# Allegro board LED_FIN.brd (continued)
## Nets (continued)
COL_OUT_B50: D6850.1(CATHODE) D6880.1(CATHODE) D6910.1(CATHODE) D6940.1(CATHODE) D6970.1(CATHODE) D7000.1(CATHODE) D7030.1(CATHODE) D7060.1(CATHODE) D7090.1(CATHODE) D7120.1(CATHODE) D7150.1(CATHODE) D7180.1(CATHODE) D7210.1(CATHODE) D7240.1(CATHODE) D7270.1(CATHODE) D7300.1(CATHODE) D7330.1(CATHODE) D7360.1(CATHODE) D7390.1(CATHODE) D7420.1(CATHODE) D7450.1(CATHODE) D7480.1(CATHODE) D7510.1(CATHODE) D7540.1(CATHODE) D7570.1(CATHODE) D7600.1(CATHODE) D7630.1(CATHODE) D7660.1(CATHODE) D7690.1(CATHODE) D7720.1(CATHODE) D7750.1(CATHODE) D7780.1(CATHODE) D7810.1(CATHODE) D7840.1(CATHODE) D7870.1(CATHODE) D7900.1(CATHODE) D7930.1(CATHODE) D7960.1(CATHODE) R190.1
COL_OUT_B51: D6849.1(CATHODE) D6879.1(CATHODE) D6909.1(CATHODE) D6939.1(CATHODE) D6969.1(CATHODE) D6999.1(CATHODE) D7029.1(CATHODE) D7059.1(CATHODE) D7089.1(CATHODE) D7119.1(CATHODE) D7149.1(CATHODE) D7179.1(CATHODE) D7209.1(CATHODE) D7239.1(CATHODE) D7269.1(CATHODE) D7299.1(CATHODE) D7329.1(CATHODE) D7359.1(CATHODE) D7389.1(CATHODE) D7419.1(CATHODE) D7449.1(CATHODE) D7479.1(CATHODE) D7509.1(CATHODE) D7539.1(CATHODE) D7569.1(CATHODE) D7599.1(CATHODE) D7629.1(CATHODE) D7659.1(CATHODE) D7689.1(CATHODE) D7719.1(CATHODE) D7749.1(CATHODE) D7779.1(CATHODE) D7809.1(CATHODE) D7839.1(CATHODE) D7869.1(CATHODE) D7899.1(CATHODE) D7929.1(CATHODE) D7959.1(CATHODE) R189.1
COL_OUT_B52: D6848.1(CATHODE) D6878.1(CATHODE) D6908.1(CATHODE) D6938.1(CATHODE) D6968.1(CATHODE) D6998.1(CATHODE) D7028.1(CATHODE) D7058.1(CATHODE) D7088.1(CATHODE) D7118.1(CATHODE) D7148.1(CATHODE) D7178.1(CATHODE) D7208.1(CATHODE) D7238.1(CATHODE) D7268.1(CATHODE) D7298.1(CATHODE) D7328.1(CATHODE) D7358.1(CATHODE) D7388.1(CATHODE) D7418.1(CATHODE) D7448.1(CATHODE) D7478.1(CATHODE) D7508.1(CATHODE) D7538.1(CATHODE) D7568.1(CATHODE) D7598.1(CATHODE) D7628.1(CATHODE) D7658.1(CATHODE) D7688.1(CATHODE) D7718.1(CATHODE) D7748.1(CATHODE) D7778.1(CATHODE) D7808.1(CATHODE) D7838.1(CATHODE) D7868.1(CATHODE) D7898.1(CATHODE) D7928.1(CATHODE) D7958.1(CATHODE) R188.1
COL_OUT_B53: D6847.1(CATHODE) D6877.1(CATHODE) D6907.1(CATHODE) D6937.1(CATHODE) D6967.1(CATHODE) D6997.1(CATHODE) D7027.1(CATHODE) D7057.1(CATHODE) D7087.1(CATHODE) D7117.1(CATHODE) D7147.1(CATHODE) D7177.1(CATHODE) D7207.1(CATHODE) D7237.1(CATHODE) D7267.1(CATHODE) D7297.1(CATHODE) D7327.1(CATHODE) D7357.1(CATHODE) D7387.1(CATHODE) D7417.1(CATHODE) D7447.1(CATHODE) D7477.1(CATHODE) D7507.1(CATHODE) D7537.1(CATHODE) D7567.1(CATHODE) D7597.1(CATHODE) D7627.1(CATHODE) D7657.1(CATHODE) D7687.1(CATHODE) D7717.1(CATHODE) D7747.1(CATHODE) D7777.1(CATHODE) D7807.1(CATHODE) D7837.1(CATHODE) D7867.1(CATHODE) D7897.1(CATHODE) D7927.1(CATHODE) D7957.1(CATHODE) R187.1
COL_OUT_B54: D6846.1(CATHODE) D6876.1(CATHODE) D6906.1(CATHODE) D6936.1(CATHODE) D6966.1(CATHODE) D6996.1(CATHODE) D7026.1(CATHODE) D7056.1(CATHODE) D7086.1(CATHODE) D7116.1(CATHODE) D7146.1(CATHODE) D7176.1(CATHODE) D7206.1(CATHODE) D7236.1(CATHODE) D7266.1(CATHODE) D7296.1(CATHODE) D7326.1(CATHODE) D7356.1(CATHODE) D7386.1(CATHODE) D7416.1(CATHODE) D7446.1(CATHODE) D7476.1(CATHODE) D7506.1(CATHODE) D7536.1(CATHODE) D7566.1(CATHODE) D7596.1(CATHODE) D7626.1(CATHODE) D7656.1(CATHODE) D7686.1(CATHODE) D7716.1(CATHODE) D7746.1(CATHODE) D7776.1(CATHODE) D7806.1(CATHODE) D7836.1(CATHODE) D7866.1(CATHODE) D7896.1(CATHODE) D7926.1(CATHODE) D7956.1(CATHODE) R186.1
COL_OUT_B55: D6845.1(CATHODE) D6875.1(CATHODE) D6905.1(CATHODE) D6935.1(CATHODE) D6965.1(CATHODE) D6995.1(CATHODE) D7025.1(CATHODE) D7055.1(CATHODE) D7085.1(CATHODE) D7115.1(CATHODE) D7145.1(CATHODE) D7175.1(CATHODE) D7205.1(CATHODE) D7235.1(CATHODE) D7265.1(CATHODE) D7295.1(CATHODE) D7325.1(CATHODE) D7355.1(CATHODE) D7385.1(CATHODE) D7415.1(CATHODE) D7445.1(CATHODE) D7475.1(CATHODE) D7505.1(CATHODE) D7535.1(CATHODE) D7565.1(CATHODE) D7595.1(CATHODE) D7625.1(CATHODE) D7655.1(CATHODE) D7685.1(CATHODE) D7715.1(CATHODE) D7745.1(CATHODE) D7775.1(CATHODE) D7805.1(CATHODE) D7835.1(CATHODE) D7865.1(CATHODE) D7895.1(CATHODE) D7925.1(CATHODE) D7955.1(CATHODE) R185.1
COL_OUT_B56: D6844.1(CATHODE) D6874.1(CATHODE) D6904.1(CATHODE) D6934.1(CATHODE) D6964.1(CATHODE) D6994.1(CATHODE) D7024.1(CATHODE) D7054.1(CATHODE) D7084.1(CATHODE) D7114.1(CATHODE) D7144.1(CATHODE) D7174.1(CATHODE) D7204.1(CATHODE) D7234.1(CATHODE) D7264.1(CATHODE) D7294.1(CATHODE) D7324.1(CATHODE) D7354.1(CATHODE) D7384.1(CATHODE) D7414.1(CATHODE) D7444.1(CATHODE) D7474.1(CATHODE) D7504.1(CATHODE) D7534.1(CATHODE) D7564.1(CATHODE) D7594.1(CATHODE) D7624.1(CATHODE) D7654.1(CATHODE) D7684.1(CATHODE) D7714.1(CATHODE) D7744.1(CATHODE) D7774.1(CATHODE) D7804.1(CATHODE) D7834.1(CATHODE) D7864.1(CATHODE) D7894.1(CATHODE) D7924.1(CATHODE) D7954.1(CATHODE) R184.1
COL_OUT_B57: D6843.1(CATHODE) D6873.1(CATHODE) D6903.1(CATHODE) D6933.1(CATHODE) D6963.1(CATHODE) D6993.1(CATHODE) D7023.1(CATHODE) D7053.1(CATHODE) D7083.1(CATHODE) D7113.1(CATHODE) D7143.1(CATHODE) D7173.1(CATHODE) D7203.1(CATHODE) D7233.1(CATHODE) D7263.1(CATHODE) D7293.1(CATHODE) D7323.1(CATHODE) D7353.1(CATHODE) D7383.1(CATHODE) D7413.1(CATHODE) D7443.1(CATHODE) D7473.1(CATHODE) D7503.1(CATHODE) D7533.1(CATHODE) D7563.1(CATHODE) D7593.1(CATHODE) D7623.1(CATHODE) D7653.1(CATHODE) D7683.1(CATHODE) D7713.1(CATHODE) D7743.1(CATHODE) D7773.1(CATHODE) D7803.1(CATHODE) D7833.1(CATHODE) D7863.1(CATHODE) D7893.1(CATHODE) D7923.1(CATHODE) D7953.1(CATHODE) R183.1
COL_OUT_B58: D6842.1(CATHODE) D6872.1(CATHODE) D6902.1(CATHODE) D6932.1(CATHODE) D6962.1(CATHODE) D6992.1(CATHODE) D7022.1(CATHODE) D7052.1(CATHODE) D7082.1(CATHODE) D7112.1(CATHODE) D7142.1(CATHODE) D7172.1(CATHODE) D7202.1(CATHODE) D7232.1(CATHODE) D7262.1(CATHODE) D7292.1(CATHODE) D7322.1(CATHODE) D7352.1(CATHODE) D7382.1(CATHODE) D7412.1(CATHODE) D7442.1(CATHODE) D7472.1(CATHODE) D7502.1(CATHODE) D7532.1(CATHODE) D7562.1(CATHODE) D7592.1(CATHODE) D7622.1(CATHODE) D7652.1(CATHODE) D7682.1(CATHODE) D7712.1(CATHODE) D7742.1(CATHODE) D7772.1(CATHODE) D7802.1(CATHODE) D7832.1(CATHODE) D7862.1(CATHODE) D7892.1(CATHODE) D7922.1(CATHODE) D7952.1(CATHODE) R182.1
COL_OUT_B59: D6841.1(CATHODE) D6871.1(CATHODE) D6901.1(CATHODE) D6931.1(CATHODE) D6961.1(CATHODE) D6991.1(CATHODE) D7021.1(CATHODE) D7051.1(CATHODE) D7081.1(CATHODE) D7111.1(CATHODE) D7141.1(CATHODE) D7171.1(CATHODE) D7201.1(CATHODE) D7231.1(CATHODE) D7261.1(CATHODE) D7291.1(CATHODE) D7321.1(CATHODE) D7351.1(CATHODE) D7381.1(CATHODE) D7411.1(CATHODE) D7441.1(CATHODE) D7471.1(CATHODE) D7501.1(CATHODE) D7531.1(CATHODE) D7561.1(CATHODE) D7591.1(CATHODE) D7621.1(CATHODE) D7651.1(CATHODE) D7681.1(CATHODE) D7711.1(CATHODE) D7741.1(CATHODE) D7771.1(CATHODE) D7801.1(CATHODE) D7831.1(CATHODE) D7861.1(CATHODE) D7891.1(CATHODE) D7921.1(CATHODE) D7951.1(CATHODE) R181.1
COL_OUT_B60: D5730.1(CATHODE) D5760.1(CATHODE) D5790.1(CATHODE) D5820.1(CATHODE) D5850.1(CATHODE) D5880.1(CATHODE) D5910.1(CATHODE) D5940.1(CATHODE) D5970.1(CATHODE) D6000.1(CATHODE) D6030.1(CATHODE) D6060.1(CATHODE) D6090.1(CATHODE) D6120.1(CATHODE) D6150.1(CATHODE) D6180.1(CATHODE) D6210.1(CATHODE) D6240.1(CATHODE) D6270.1(CATHODE) D6300.1(CATHODE) D6330.1(CATHODE) D6360.1(CATHODE) D6390.1(CATHODE) D6420.1(CATHODE) D6450.1(CATHODE) D6480.1(CATHODE) D6510.1(CATHODE) D6540.1(CATHODE) D6570.1(CATHODE) D6600.1(CATHODE) D6630.1(CATHODE) D6660.1(CATHODE) D6690.1(CATHODE) D6720.1(CATHODE) D6750.1(CATHODE) D6780.1(CATHODE) D6810.1(CATHODE) D6840.1(CATHODE) R180.1
COL_OUT_B61: D5729.1(CATHODE) D5759.1(CATHODE) D5789.1(CATHODE) D5819.1(CATHODE) D5849.1(CATHODE) D5879.1(CATHODE) D5909.1(CATHODE) D5939.1(CATHODE) D5969.1(CATHODE) D5999.1(CATHODE) D6029.1(CATHODE) D6059.1(CATHODE) D6089.1(CATHODE) D6119.1(CATHODE) D6149.1(CATHODE) D6179.1(CATHODE) D6209.1(CATHODE) D6239.1(CATHODE) D6269.1(CATHODE) D6299.1(CATHODE) D6329.1(CATHODE) D6359.1(CATHODE) D6389.1(CATHODE) D6419.1(CATHODE) D6449.1(CATHODE) D6479.1(CATHODE) D6509.1(CATHODE) D6539.1(CATHODE) D6569.1(CATHODE) D6599.1(CATHODE) D6629.1(CATHODE) D6659.1(CATHODE) D6689.1(CATHODE) D6719.1(CATHODE) D6749.1(CATHODE) D6779.1(CATHODE) D6809.1(CATHODE) D6839.1(CATHODE) R179.1
COL_OUT_B62: D5728.1(CATHODE) D5758.1(CATHODE) D5788.1(CATHODE) D5818.1(CATHODE) D5848.1(CATHODE) D5878.1(CATHODE) D5908.1(CATHODE) D5938.1(CATHODE) D5968.1(CATHODE) D5998.1(CATHODE) D6028.1(CATHODE) D6058.1(CATHODE) D6088.1(CATHODE) D6118.1(CATHODE) D6148.1(CATHODE) D6178.1(CATHODE) D6208.1(CATHODE) D6238.1(CATHODE) D6268.1(CATHODE) D6298.1(CATHODE) D6328.1(CATHODE) D6358.1(CATHODE) D6388.1(CATHODE) D6418.1(CATHODE) D6448.1(CATHODE) D6478.1(CATHODE) D6508.1(CATHODE) D6538.1(CATHODE) D6568.1(CATHODE) D6598.1(CATHODE) D6628.1(CATHODE) D6658.1(CATHODE) D6688.1(CATHODE) D6718.1(CATHODE) D6748.1(CATHODE) D6778.1(CATHODE) D6808.1(CATHODE) D6838.1(CATHODE) R178.1
COL_OUT_B63: D5727.1(CATHODE) D5757.1(CATHODE) D5787.1(CATHODE) D5817.1(CATHODE) D5847.1(CATHODE) D5877.1(CATHODE) D5907.1(CATHODE) D5937.1(CATHODE) D5967.1(CATHODE) D5997.1(CATHODE) D6027.1(CATHODE) D6057.1(CATHODE) D6087.1(CATHODE) D6117.1(CATHODE) D6147.1(CATHODE) D6177.1(CATHODE) D6207.1(CATHODE) D6237.1(CATHODE) D6267.1(CATHODE) D6297.1(CATHODE) D6327.1(CATHODE) D6357.1(CATHODE) D6387.1(CATHODE) D6417.1(CATHODE) D6447.1(CATHODE) D6477.1(CATHODE) D6507.1(CATHODE) D6537.1(CATHODE) D6567.1(CATHODE) D6597.1(CATHODE) D6627.1(CATHODE) D6657.1(CATHODE) D6687.1(CATHODE) D6717.1(CATHODE) D6747.1(CATHODE) D6777.1(CATHODE) D6807.1(CATHODE) D6837.1(CATHODE) R177.1
COL_OUT_B64: D5726.1(CATHODE) D5756.1(CATHODE) D5786.1(CATHODE) D5816.1(CATHODE) D5846.1(CATHODE) D5876.1(CATHODE) D5906.1(CATHODE) D5936.1(CATHODE) D5966.1(CATHODE) D5996.1(CATHODE) D6026.1(CATHODE) D6056.1(CATHODE) D6086.1(CATHODE) D6116.1(CATHODE) D6146.1(CATHODE) D6176.1(CATHODE) D6206.1(CATHODE) D6236.1(CATHODE) D6266.1(CATHODE) D6296.1(CATHODE) D6326.1(CATHODE) D6356.1(CATHODE) D6386.1(CATHODE) D6416.1(CATHODE) D6446.1(CATHODE) D6476.1(CATHODE) D6506.1(CATHODE) D6536.1(CATHODE) D6566.1(CATHODE) D6596.1(CATHODE) D6626.1(CATHODE) D6656.1(CATHODE) D6686.1(CATHODE) D6716.1(CATHODE) D6746.1(CATHODE) D6776.1(CATHODE) D6806.1(CATHODE) D6836.1(CATHODE) R176.1
COL_OUT_B65: D5725.1(CATHODE) D5755.1(CATHODE) D5785.1(CATHODE) D5815.1(CATHODE) D5845.1(CATHODE) D5875.1(CATHODE) D5905.1(CATHODE) D5935.1(CATHODE) D5965.1(CATHODE) D5995.1(CATHODE) D6025.1(CATHODE) D6055.1(CATHODE) D6085.1(CATHODE) D6115.1(CATHODE) D6145.1(CATHODE) D6175.1(CATHODE) D6205.1(CATHODE) D6235.1(CATHODE) D6265.1(CATHODE) D6295.1(CATHODE) D6325.1(CATHODE) D6355.1(CATHODE) D6385.1(CATHODE) D6415.1(CATHODE) D6445.1(CATHODE) D6475.1(CATHODE) D6505.1(CATHODE) D6535.1(CATHODE) D6565.1(CATHODE) D6595.1(CATHODE) D6625.1(CATHODE) D6655.1(CATHODE) D6685.1(CATHODE) D6715.1(CATHODE) D6745.1(CATHODE) D6775.1(CATHODE) D6805.1(CATHODE) D6835.1(CATHODE) R175.1
COL_OUT_B66: D5724.1(CATHODE) D5754.1(CATHODE) D5784.1(CATHODE) D5814.1(CATHODE) D5844.1(CATHODE) D5874.1(CATHODE) D5904.1(CATHODE) D5934.1(CATHODE) D5964.1(CATHODE) D5994.1(CATHODE) D6024.1(CATHODE) D6054.1(CATHODE) D6084.1(CATHODE) D6114.1(CATHODE) D6144.1(CATHODE) D6174.1(CATHODE) D6204.1(CATHODE) D6234.1(CATHODE) D6264.1(CATHODE) D6294.1(CATHODE) D6324.1(CATHODE) D6354.1(CATHODE) D6384.1(CATHODE) D6414.1(CATHODE) D6444.1(CATHODE) D6474.1(CATHODE) D6504.1(CATHODE) D6534.1(CATHODE) D6564.1(CATHODE) D6594.1(CATHODE) D6624.1(CATHODE) D6654.1(CATHODE) D6684.1(CATHODE) D6714.1(CATHODE) D6744.1(CATHODE) D6774.1(CATHODE) D6804.1(CATHODE) D6834.1(CATHODE) R174.1
COL_OUT_B67: D5723.1(CATHODE) D5753.1(CATHODE) D5783.1(CATHODE) D5813.1(CATHODE) D5843.1(CATHODE) D5873.1(CATHODE) D5903.1(CATHODE) D5933.1(CATHODE) D5963.1(CATHODE) D5993.1(CATHODE) D6023.1(CATHODE) D6053.1(CATHODE) D6083.1(CATHODE) D6113.1(CATHODE) D6143.1(CATHODE) D6173.1(CATHODE) D6203.1(CATHODE) D6233.1(CATHODE) D6263.1(CATHODE) D6293.1(CATHODE) D6323.1(CATHODE) D6353.1(CATHODE) D6383.1(CATHODE) D6413.1(CATHODE) D6443.1(CATHODE) D6473.1(CATHODE) D6503.1(CATHODE) D6533.1(CATHODE) D6563.1(CATHODE) D6593.1(CATHODE) D6623.1(CATHODE) D6653.1(CATHODE) D6683.1(CATHODE) D6713.1(CATHODE) D6743.1(CATHODE) D6773.1(CATHODE) D6803.1(CATHODE) D6833.1(CATHODE) R173.1
COL_OUT_B68: D5722.1(CATHODE) D5752.1(CATHODE) D5782.1(CATHODE) D5812.1(CATHODE) D5842.1(CATHODE) D5872.1(CATHODE) D5902.1(CATHODE) D5932.1(CATHODE) D5962.1(CATHODE) D5992.1(CATHODE) D6022.1(CATHODE) D6052.1(CATHODE) D6082.1(CATHODE) D6112.1(CATHODE) D6142.1(CATHODE) D6172.1(CATHODE) D6202.1(CATHODE) D6232.1(CATHODE) D6262.1(CATHODE) D6292.1(CATHODE) D6322.1(CATHODE) D6352.1(CATHODE) D6382.1(CATHODE) D6412.1(CATHODE) D6442.1(CATHODE) D6472.1(CATHODE) D6502.1(CATHODE) D6532.1(CATHODE) D6562.1(CATHODE) D6592.1(CATHODE) D6622.1(CATHODE) D6652.1(CATHODE) D6682.1(CATHODE) D6712.1(CATHODE) D6742.1(CATHODE) D6772.1(CATHODE) D6802.1(CATHODE) D6832.1(CATHODE) R172.1
COL_OUT_B69: D5721.1(CATHODE) D5751.1(CATHODE) D5781.1(CATHODE) D5811.1(CATHODE) D5841.1(CATHODE) D5871.1(CATHODE) D5901.1(CATHODE) D5931.1(CATHODE) D5961.1(CATHODE) D5991.1(CATHODE) D6021.1(CATHODE) D6051.1(CATHODE) D6081.1(CATHODE) D6111.1(CATHODE) D6141.1(CATHODE) D6171.1(CATHODE) D6201.1(CATHODE) D6231.1(CATHODE) D6261.1(CATHODE) D6291.1(CATHODE) D6321.1(CATHODE) D6351.1(CATHODE) D6381.1(CATHODE) D6411.1(CATHODE) D6441.1(CATHODE) D6471.1(CATHODE) D6501.1(CATHODE) D6531.1(CATHODE) D6561.1(CATHODE) D6591.1(CATHODE) D6621.1(CATHODE) D6651.1(CATHODE) D6681.1(CATHODE) D6711.1(CATHODE) D6741.1(CATHODE) D6771.1(CATHODE) D6801.1(CATHODE) D6831.1(CATHODE) R171.1
COL_OUT_B70: D5720.1(CATHODE) D5750.1(CATHODE) D5780.1(CATHODE) D5810.1(CATHODE) D5840.1(CATHODE) D5870.1(CATHODE) D5900.1(CATHODE) D5930.1(CATHODE) D5960.1(CATHODE) D5990.1(CATHODE) D6020.1(CATHODE) D6050.1(CATHODE) D6080.1(CATHODE) D6110.1(CATHODE) D6140.1(CATHODE) D6170.1(CATHODE) D6200.1(CATHODE) D6230.1(CATHODE) D6260.1(CATHODE) D6290.1(CATHODE) D6320.1(CATHODE) D6350.1(CATHODE) D6380.1(CATHODE) D6410.1(CATHODE) D6440.1(CATHODE) D6470.1(CATHODE) D6500.1(CATHODE) D6530.1(CATHODE) D6560.1(CATHODE) D6590.1(CATHODE) D6620.1(CATHODE) D6650.1(CATHODE) D6680.1(CATHODE) D6710.1(CATHODE) D6740.1(CATHODE) D6770.1(CATHODE) D6800.1(CATHODE) D6830.1(CATHODE) R170.1
COL_OUT_B71: D5719.1(CATHODE) D5749.1(CATHODE) D5779.1(CATHODE) D5809.1(CATHODE) D5839.1(CATHODE) D5869.1(CATHODE) D5899.1(CATHODE) D5929.1(CATHODE) D5959.1(CATHODE) D5989.1(CATHODE) D6019.1(CATHODE) D6049.1(CATHODE) D6079.1(CATHODE) D6109.1(CATHODE) D6139.1(CATHODE) D6169.1(CATHODE) D6199.1(CATHODE) D6229.1(CATHODE) D6259.1(CATHODE) D6289.1(CATHODE) D6319.1(CATHODE) D6349.1(CATHODE) D6379.1(CATHODE) D6409.1(CATHODE) D6439.1(CATHODE) D6469.1(CATHODE) D6499.1(CATHODE) D6529.1(CATHODE) D6559.1(CATHODE) D6589.1(CATHODE) D6619.1(CATHODE) D6649.1(CATHODE) D6679.1(CATHODE) D6709.1(CATHODE) D6739.1(CATHODE) D6769.1(CATHODE) D6799.1(CATHODE) D6829.1(CATHODE) R169.1
COL_OUT_B72: D5718.1(CATHODE) D5748.1(CATHODE) D5778.1(CATHODE) D5808.1(CATHODE) D5838.1(CATHODE) D5868.1(CATHODE) D5898.1(CATHODE) D5928.1(CATHODE) D5958.1(CATHODE) D5988.1(CATHODE) D6018.1(CATHODE) D6048.1(CATHODE) D6078.1(CATHODE) D6108.1(CATHODE) D6138.1(CATHODE) D6168.1(CATHODE) D6198.1(CATHODE) D6228.1(CATHODE) D6258.1(CATHODE) D6288.1(CATHODE) D6318.1(CATHODE) D6348.1(CATHODE) D6378.1(CATHODE) D6408.1(CATHODE) D6438.1(CATHODE) D6468.1(CATHODE) D6498.1(CATHODE) D6528.1(CATHODE) D6558.1(CATHODE) D6588.1(CATHODE) D6618.1(CATHODE) D6648.1(CATHODE) D6678.1(CATHODE) D6708.1(CATHODE) D6738.1(CATHODE) D6768.1(CATHODE) D6798.1(CATHODE) D6828.1(CATHODE) R168.1
COL_OUT_B73: D5717.1(CATHODE) D5747.1(CATHODE) D5777.1(CATHODE) D5807.1(CATHODE) D5837.1(CATHODE) D5867.1(CATHODE) D5897.1(CATHODE) D5927.1(CATHODE) D5957.1(CATHODE) D5987.1(CATHODE) D6017.1(CATHODE) D6047.1(CATHODE) D6077.1(CATHODE) D6107.1(CATHODE) D6137.1(CATHODE) D6167.1(CATHODE) D6197.1(CATHODE) D6227.1(CATHODE) D6257.1(CATHODE) D6287.1(CATHODE) D6317.1(CATHODE) D6347.1(CATHODE) D6377.1(CATHODE) D6407.1(CATHODE) D6437.1(CATHODE) D6467.1(CATHODE) D6497.1(CATHODE) D6527.1(CATHODE) D6557.1(CATHODE) D6587.1(CATHODE) D6617.1(CATHODE) D6647.1(CATHODE) D6677.1(CATHODE) D6707.1(CATHODE) D6737.1(CATHODE) D6767.1(CATHODE) D6797.1(CATHODE) D6827.1(CATHODE) R167.1
COL_OUT_B74: D5716.1(CATHODE) D5746.1(CATHODE) D5776.1(CATHODE) D5806.1(CATHODE) D5836.1(CATHODE) D5866.1(CATHODE) D5896.1(CATHODE) D5926.1(CATHODE) D5956.1(CATHODE) D5986.1(CATHODE) D6016.1(CATHODE) D6046.1(CATHODE) D6076.1(CATHODE) D6106.1(CATHODE) D6136.1(CATHODE) D6166.1(CATHODE) D6196.1(CATHODE) D6226.1(CATHODE) D6256.1(CATHODE) D6286.1(CATHODE) D6316.1(CATHODE) D6346.1(CATHODE) D6376.1(CATHODE) D6406.1(CATHODE) D6436.1(CATHODE) D6466.1(CATHODE) D6496.1(CATHODE) D6526.1(CATHODE) D6556.1(CATHODE) D6586.1(CATHODE) D6616.1(CATHODE) D6646.1(CATHODE) D6676.1(CATHODE) D6706.1(CATHODE) D6736.1(CATHODE) D6766.1(CATHODE) D6796.1(CATHODE) D6826.1(CATHODE) R166.1
COL_OUT_B75: D5715.1(CATHODE) D5745.1(CATHODE) D5775.1(CATHODE) D5805.1(CATHODE) D5835.1(CATHODE) D5865.1(CATHODE) D5895.1(CATHODE) D5925.1(CATHODE) D5955.1(CATHODE) D5985.1(CATHODE) D6015.1(CATHODE) D6045.1(CATHODE) D6075.1(CATHODE) D6105.1(CATHODE) D6135.1(CATHODE) D6165.1(CATHODE) D6195.1(CATHODE) D6225.1(CATHODE) D6255.1(CATHODE) D6285.1(CATHODE) D6315.1(CATHODE) D6345.1(CATHODE) D6375.1(CATHODE) D6405.1(CATHODE) D6435.1(CATHODE) D6465.1(CATHODE) D6495.1(CATHODE) D6525.1(CATHODE) D6555.1(CATHODE) D6585.1(CATHODE) D6615.1(CATHODE) D6645.1(CATHODE) D6675.1(CATHODE) D6705.1(CATHODE) D6735.1(CATHODE) D6765.1(CATHODE) D6795.1(CATHODE) D6825.1(CATHODE) R165.1
COL_OUT_B76: D5714.1(CATHODE) D5744.1(CATHODE) D5774.1(CATHODE) D5804.1(CATHODE) D5834.1(CATHODE) D5864.1(CATHODE) D5894.1(CATHODE) D5924.1(CATHODE) D5954.1(CATHODE) D5984.1(CATHODE) D6014.1(CATHODE) D6044.1(CATHODE) D6074.1(CATHODE) D6104.1(CATHODE) D6134.1(CATHODE) D6164.1(CATHODE) D6194.1(CATHODE) D6224.1(CATHODE) D6254.1(CATHODE) D6284.1(CATHODE) D6314.1(CATHODE) D6344.1(CATHODE) D6374.1(CATHODE) D6404.1(CATHODE) D6434.1(CATHODE) D6464.1(CATHODE) D6494.1(CATHODE) D6524.1(CATHODE) D6554.1(CATHODE) D6584.1(CATHODE) D6614.1(CATHODE) D6644.1(CATHODE) D6674.1(CATHODE) D6704.1(CATHODE) D6734.1(CATHODE) D6764.1(CATHODE) D6794.1(CATHODE) D6824.1(CATHODE) R164.1
COL_OUT_B77: D5713.1(CATHODE) D5743.1(CATHODE) D5773.1(CATHODE) D5803.1(CATHODE) D5833.1(CATHODE) D5863.1(CATHODE) D5893.1(CATHODE) D5923.1(CATHODE) D5953.1(CATHODE) D5983.1(CATHODE) D6013.1(CATHODE) D6043.1(CATHODE) D6073.1(CATHODE) D6103.1(CATHODE) D6133.1(CATHODE) D6163.1(CATHODE) D6193.1(CATHODE) D6223.1(CATHODE) D6253.1(CATHODE) D6283.1(CATHODE) D6313.1(CATHODE) D6343.1(CATHODE) D6373.1(CATHODE) D6403.1(CATHODE) D6433.1(CATHODE) D6463.1(CATHODE) D6493.1(CATHODE) D6523.1(CATHODE) D6553.1(CATHODE) D6583.1(CATHODE) D6613.1(CATHODE) D6643.1(CATHODE) D6673.1(CATHODE) D6703.1(CATHODE) D6733.1(CATHODE) D6763.1(CATHODE) D6793.1(CATHODE) D6823.1(CATHODE) R163.1
COL_OUT_B78: D5712.1(CATHODE) D5742.1(CATHODE) D5772.1(CATHODE) D5802.1(CATHODE) D5832.1(CATHODE) D5862.1(CATHODE) D5892.1(CATHODE) D5922.1(CATHODE) D5952.1(CATHODE) D5982.1(CATHODE) D6012.1(CATHODE) D6042.1(CATHODE) D6072.1(CATHODE) D6102.1(CATHODE) D6132.1(CATHODE) D6162.1(CATHODE) D6192.1(CATHODE) D6222.1(CATHODE) D6252.1(CATHODE) D6282.1(CATHODE) D6312.1(CATHODE) D6342.1(CATHODE) D6372.1(CATHODE) D6402.1(CATHODE) D6432.1(CATHODE) D6462.1(CATHODE) D6492.1(CATHODE) D6522.1(CATHODE) D6552.1(CATHODE) D6582.1(CATHODE) D6612.1(CATHODE) D6642.1(CATHODE) D6672.1(CATHODE) D6702.1(CATHODE) D6732.1(CATHODE) D6762.1(CATHODE) D6792.1(CATHODE) D6822.1(CATHODE) R162.1
COL_OUT_B79: D5711.1(CATHODE) D5741.1(CATHODE) D5771.1(CATHODE) D5801.1(CATHODE) D5831.1(CATHODE) D5861.1(CATHODE) D5891.1(CATHODE) D5921.1(CATHODE) D5951.1(CATHODE) D5981.1(CATHODE) D6011.1(CATHODE) D6041.1(CATHODE) D6071.1(CATHODE) D6101.1(CATHODE) D6131.1(CATHODE) D6161.1(CATHODE) D6191.1(CATHODE) D6221.1(CATHODE) D6251.1(CATHODE) D6281.1(CATHODE) D6311.1(CATHODE) D6341.1(CATHODE) D6371.1(CATHODE) D6401.1(CATHODE) D6431.1(CATHODE) D6461.1(CATHODE) D6491.1(CATHODE) D6521.1(CATHODE) D6551.1(CATHODE) D6581.1(CATHODE) D6611.1(CATHODE) D6641.1(CATHODE) D6671.1(CATHODE) D6701.1(CATHODE) D6731.1(CATHODE) D6761.1(CATHODE) D6791.1(CATHODE) D6821.1(CATHODE) R161.1
COL_OUT_B80: D5710.1(CATHODE) D5740.1(CATHODE) D5770.1(CATHODE) D5800.1(CATHODE) D5830.1(CATHODE) D5860.1(CATHODE) D5890.1(CATHODE) D5920.1(CATHODE) D5950.1(CATHODE) D5980.1(CATHODE) D6010.1(CATHODE) D6040.1(CATHODE) D6070.1(CATHODE) D6100.1(CATHODE) D6130.1(CATHODE) D6160.1(CATHODE) D6190.1(CATHODE) D6220.1(CATHODE) D6250.1(CATHODE) D6280.1(CATHODE) D6310.1(CATHODE) D6340.1(CATHODE) D6370.1(CATHODE) D6400.1(CATHODE) D6430.1(CATHODE) D6460.1(CATHODE) D6490.1(CATHODE) D6520.1(CATHODE) D6550.1(CATHODE) D6580.1(CATHODE) D6610.1(CATHODE) D6640.1(CATHODE) D6670.1(CATHODE) D6700.1(CATHODE) D6730.1(CATHODE) D6760.1(CATHODE) D6790.1(CATHODE) D6820.1(CATHODE) R160.1
COL_OUT_B81: D5709.1(CATHODE) D5739.1(CATHODE) D5769.1(CATHODE) D5799.1(CATHODE) D5829.1(CATHODE) D5859.1(CATHODE) D5889.1(CATHODE) D5919.1(CATHODE) D5949.1(CATHODE) D5979.1(CATHODE) D6009.1(CATHODE) D6039.1(CATHODE) D6069.1(CATHODE) D6099.1(CATHODE) D6129.1(CATHODE) D6159.1(CATHODE) D6189.1(CATHODE) D6219.1(CATHODE) D6249.1(CATHODE) D6279.1(CATHODE) D6309.1(CATHODE) D6339.1(CATHODE) D6369.1(CATHODE) D6399.1(CATHODE) D6429.1(CATHODE) D6459.1(CATHODE) D6489.1(CATHODE) D6519.1(CATHODE) D6549.1(CATHODE) D6579.1(CATHODE) D6609.1(CATHODE) D6639.1(CATHODE) D6669.1(CATHODE) D6699.1(CATHODE) D6729.1(CATHODE) D6759.1(CATHODE) D6789.1(CATHODE) D6819.1(CATHODE) R159.1
COL_OUT_B82: D5708.1(CATHODE) D5738.1(CATHODE) D5768.1(CATHODE) D5798.1(CATHODE) D5828.1(CATHODE) D5858.1(CATHODE) D5888.1(CATHODE) D5918.1(CATHODE) D5948.1(CATHODE) D5978.1(CATHODE) D6008.1(CATHODE) D6038.1(CATHODE) D6068.1(CATHODE) D6098.1(CATHODE) D6128.1(CATHODE) D6158.1(CATHODE) D6188.1(CATHODE) D6218.1(CATHODE) D6248.1(CATHODE) D6278.1(CATHODE) D6308.1(CATHODE) D6338.1(CATHODE) D6368.1(CATHODE) D6398.1(CATHODE) D6428.1(CATHODE) D6458.1(CATHODE) D6488.1(CATHODE) D6518.1(CATHODE) D6548.1(CATHODE) D6578.1(CATHODE) D6608.1(CATHODE) D6638.1(CATHODE) D6668.1(CATHODE) D6698.1(CATHODE) D6728.1(CATHODE) D6758.1(CATHODE) D6788.1(CATHODE) D6818.1(CATHODE) R158.1
COL_OUT_B83: D5707.1(CATHODE) D5737.1(CATHODE) D5767.1(CATHODE) D5797.1(CATHODE) D5827.1(CATHODE) D5857.1(CATHODE) D5887.1(CATHODE) D5917.1(CATHODE) D5947.1(CATHODE) D5977.1(CATHODE) D6007.1(CATHODE) D6037.1(CATHODE) D6067.1(CATHODE) D6097.1(CATHODE) D6127.1(CATHODE) D6157.1(CATHODE) D6187.1(CATHODE) D6217.1(CATHODE) D6247.1(CATHODE) D6277.1(CATHODE) D6307.1(CATHODE) D6337.1(CATHODE) D6367.1(CATHODE) D6397.1(CATHODE) D6427.1(CATHODE) D6457.1(CATHODE) D6487.1(CATHODE) D6517.1(CATHODE) D6547.1(CATHODE) D6577.1(CATHODE) D6607.1(CATHODE) D6637.1(CATHODE) D6667.1(CATHODE) D6697.1(CATHODE) D6727.1(CATHODE) D6757.1(CATHODE) D6787.1(CATHODE) D6817.1(CATHODE) R157.1
COL_OUT_B84: D5706.1(CATHODE) D5736.1(CATHODE) D5766.1(CATHODE) D5796.1(CATHODE) D5826.1(CATHODE) D5856.1(CATHODE) D5886.1(CATHODE) D5916.1(CATHODE) D5946.1(CATHODE) D5976.1(CATHODE) D6006.1(CATHODE) D6036.1(CATHODE) D6066.1(CATHODE) D6096.1(CATHODE) D6126.1(CATHODE) D6156.1(CATHODE) D6186.1(CATHODE) D6216.1(CATHODE) D6246.1(CATHODE) D6276.1(CATHODE) D6306.1(CATHODE) D6336.1(CATHODE) D6366.1(CATHODE) D6396.1(CATHODE) D6426.1(CATHODE) D6456.1(CATHODE) D6486.1(CATHODE) D6516.1(CATHODE) D6546.1(CATHODE) D6576.1(CATHODE) D6606.1(CATHODE) D6636.1(CATHODE) D6666.1(CATHODE) D6696.1(CATHODE) D6726.1(CATHODE) D6756.1(CATHODE) D6786.1(CATHODE) D6816.1(CATHODE) R156.1
COL_OUT_B85: D5705.1(CATHODE) D5735.1(CATHODE) D5765.1(CATHODE) D5795.1(CATHODE) D5825.1(CATHODE) D5855.1(CATHODE) D5885.1(CATHODE) D5915.1(CATHODE) D5945.1(CATHODE) D5975.1(CATHODE) D6005.1(CATHODE) D6035.1(CATHODE) D6065.1(CATHODE) D6095.1(CATHODE) D6125.1(CATHODE) D6155.1(CATHODE) D6185.1(CATHODE) D6215.1(CATHODE) D6245.1(CATHODE) D6275.1(CATHODE) D6305.1(CATHODE) D6335.1(CATHODE) D6365.1(CATHODE) D6395.1(CATHODE) D6425.1(CATHODE) D6455.1(CATHODE) D6485.1(CATHODE) D6515.1(CATHODE) D6545.1(CATHODE) D6575.1(CATHODE) D6605.1(CATHODE) D6635.1(CATHODE) D6665.1(CATHODE) D6695.1(CATHODE) D6725.1(CATHODE) D6755.1(CATHODE) D6785.1(CATHODE) D6815.1(CATHODE) R155.1
COL_OUT_B86: D5704.1(CATHODE) D5734.1(CATHODE) D5764.1(CATHODE) D5794.1(CATHODE) D5824.1(CATHODE) D5854.1(CATHODE) D5884.1(CATHODE) D5914.1(CATHODE) D5944.1(CATHODE) D5974.1(CATHODE) D6004.1(CATHODE) D6034.1(CATHODE) D6064.1(CATHODE) D6094.1(CATHODE) D6124.1(CATHODE) D6154.1(CATHODE) D6184.1(CATHODE) D6214.1(CATHODE) D6244.1(CATHODE) D6274.1(CATHODE) D6304.1(CATHODE) D6334.1(CATHODE) D6364.1(CATHODE) D6394.1(CATHODE) D6424.1(CATHODE) D6454.1(CATHODE) D6484.1(CATHODE) D6514.1(CATHODE) D6544.1(CATHODE) D6574.1(CATHODE) D6604.1(CATHODE) D6634.1(CATHODE) D6664.1(CATHODE) D6694.1(CATHODE) D6724.1(CATHODE) D6754.1(CATHODE) D6784.1(CATHODE) D6814.1(CATHODE) R154.1
COL_OUT_B87: D5703.1(CATHODE) D5733.1(CATHODE) D5763.1(CATHODE) D5793.1(CATHODE) D5823.1(CATHODE) D5853.1(CATHODE) D5883.1(CATHODE) D5913.1(CATHODE) D5943.1(CATHODE) D5973.1(CATHODE) D6003.1(CATHODE) D6033.1(CATHODE) D6063.1(CATHODE) D6093.1(CATHODE) D6123.1(CATHODE) D6153.1(CATHODE) D6183.1(CATHODE) D6213.1(CATHODE) D6243.1(CATHODE) D6273.1(CATHODE) D6303.1(CATHODE) D6333.1(CATHODE) D6363.1(CATHODE) D6393.1(CATHODE) D6423.1(CATHODE) D6453.1(CATHODE) D6483.1(CATHODE) D6513.1(CATHODE) D6543.1(CATHODE) D6573.1(CATHODE) D6603.1(CATHODE) D6633.1(CATHODE) D6663.1(CATHODE) D6693.1(CATHODE) D6723.1(CATHODE) D6753.1(CATHODE) D6783.1(CATHODE) D6813.1(CATHODE) R153.1